# Allegro board WDMB-0007B-V02.brd (continued)
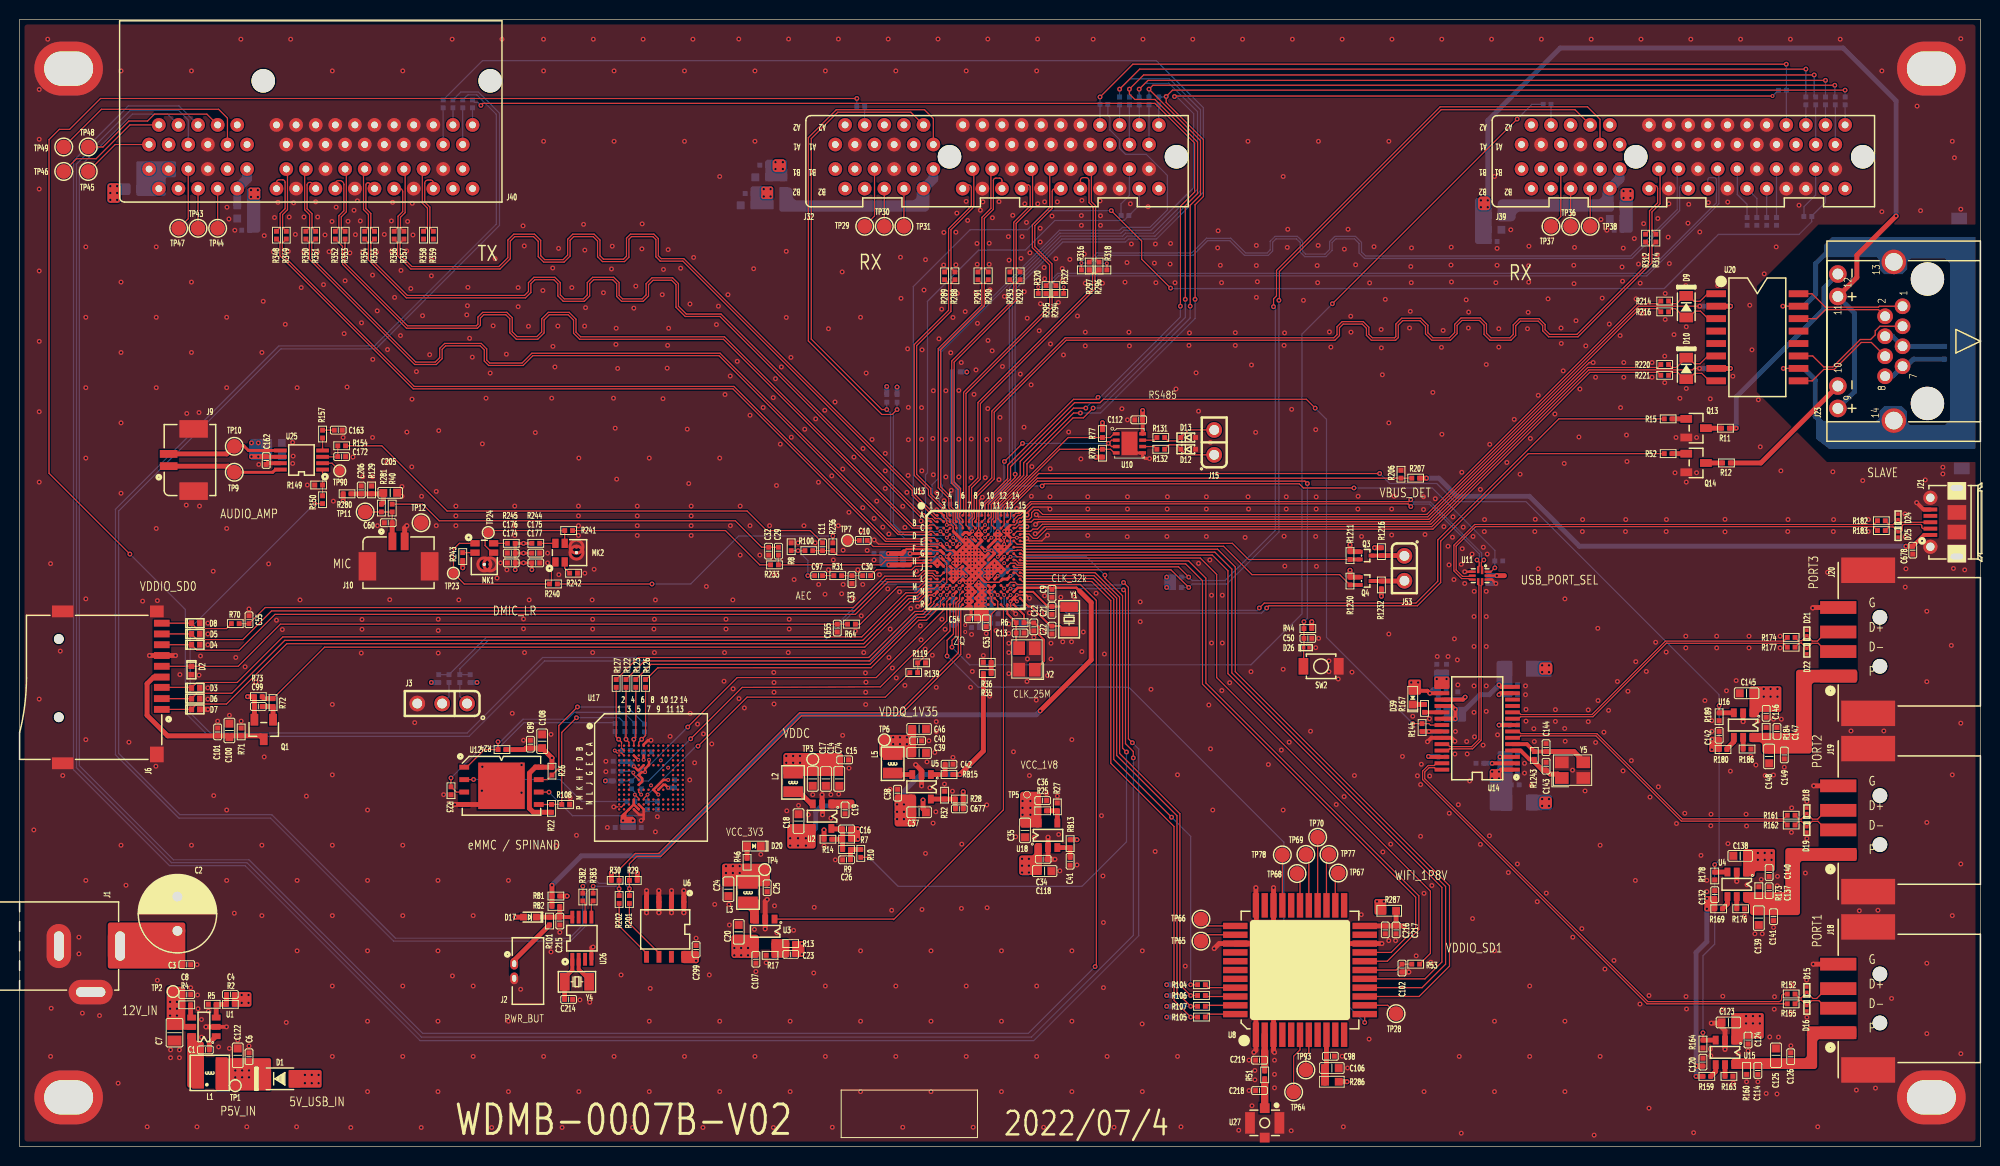
[diagram p0: board, top side]
## Routing (per net, layer and track width the routed paths; a pad name or vN(x,y) marks a point on that pad's centre or on a via; arc(x,y) is an arc through that point) (continued)
  vias: v1(64.4,36.85) v1(65.4,39.4) v1(66.15,38.65) v1(94.58,63.42) v1(96.45,53.2) v1(96.45,52.5) v1(100.42,59.52) v1(101.72,62.12) v2(1.45,32.3) v2(2,107.87) v2(2,102.79) v2(2,97.71) v2(2,89.35) v2(2,82.16) v2(2,74.98) v2(2,67.79) v2(2,45.65) v2(2.87,113) v2(3.16,59.47) v2(3.22,14.1) v2(3.16,9.18) v2(4.15,50.55) v2(4.4,37.85) v2(6.05,21.35) v2(6.05,19.65) v2(6.4,13.6) v2(6.75,91.8) v2(6.75,84.62) v2(6.75,77.43) v2(6.75,70.25) v2(6.75,55.88) v2(6.75,41.51) v2(6.75,27.14) v2(8.15,13.35) v2(10.05,6.45) v2(10.34,109.76) v2(10.34,88.21) v2(10.34,81.03) v2(10.34,73.84) v2(10.34,66.66) v2(10.34,30.74) v2(10.85,26.65) v2(11.15,41.25) v2(12.55,55.65) v2(13.01,2) v2(13.94,91.8) v2(13.94,84.62) v2(13.94,77.43) v2(13.94,63.07) v2(13.9,38.8) v2(14.05,55.7) v2(14.05,16.95) v2(15.4,9.85) v2(15.4,9.05) v2(16.3,9.85) v2(16.3,9.05) v2(16.35,48.15) v2(17,65.45) v2(17.05,74.8) v2(17.45,16.2) v2(17.53,109.76) v2(17.53,88.21) v2(17.53,81.03) v2(17.53,30.74) v2(18.1,18.55) v2(18.15,15.45) v2(18.09,2) v2(18.2,14.05) v2(18.3,74.9) v2(18.3,48.1) v2(18.35,65.35) v2(18.45,50.05) v2(18.55,12.95) v2(18.55,11.15) v2(19.2,53.4) v2(19.2,52.3) v2(19.2,51.2) v2(19.2,46.8) v2(19.2,45.65) v2(19.25,13.8) v2(19.75,58.7) v2(19.8,35.8) v2(20.2,43.4) v2(20.3,10.15) v2(21.15,95.85) v2(21.12,84.62) v2(21.12,77.43) v2(21.12,63.07) v2(21.12,34.33) v2(21.12,27.14) v2(21.35,94.65) v2(21.4,44) v2(21.4,10) v2(21.95,93.5) v2(21.9,23.8) v2(22.05,49.9) v2(22.25,10.85) v2(22.57,113) v2(22.6,43.4) v2(23,48.95) v2(23.17,2) v2(23.4,54.85) v2(23.4,10.25) v2(24.1,47.4) v2(24.4,69.6) v2(24.71,81.03) v2(24.71,30.74) v2(24.71,23.55) v2(24.95,92.95) v2(24.85,86.25) v2(24.95,39.75) v2(25.4,59.45) v2(25.9,91.3) v2(26,94.8) v2(26.2,53.7) v2(26.35,96.35) v2(26.8,52.75) v2(27.1,83.9) v2(27.2,12.65) v2(27.4,91.35) v2(27.5,94.85) v2(27.65,113) v2(27.95,96.3) v2(27.85,71.85) v2(27.9,70.45) v2(27.85,69.7) v2(28.12,93.08) v2(28.31,77.43) v2(28.31,27.14) v2(28.31,19.96) v2(28.25,2) v2(28.6,55.77) v2(28.73,87.65) v2(29,94.85) v2(29,91.33) v2(29.25,35.75) v2(29.35,67.5) v2(30.2,96.4) v2(30.4,94.85) v2(30.38,91.3) v2(31,87.95) v2(31.15,93.03) v2(31.56,91.31) v2(31.9,109.76) v2(31.86,94.4) v2(31.9,45.11) v2(31.9,37.92) v2(31.9,30.74) v2(31.9,23.55) v2(31.9,16.37) v2(31.9,9.18) v2(32,65.85) v2(32.29,95.86) v2(33,72.35) v2(33,67.85) v2(33.1,82.95) v2(33.2,88.35) v2(33.4,77.5) v2(33.5,94.41) v2(33.69,91.19) v2(33.78,1.93) v2(34,70.35) v2(34.11,95.54) v2(34.25,93.05) v2(34.45,96.5) v2(34.75,94.45) v2(34.88,84.05) v2(34.92,53.77) v2(34.92,52.77) v2(34.85,50.35) v2(35,91.22) v2(35,68.35) v2(35.49,34.33) v2(35.49,27.14) v2(35.49,19.96) v2(35.49,12.78) v2(35.49,5.59) v2(36,88.92) v2(36.02,80.33) v2(36,72.35) v2(36,68.35) v2(36.4,91.25) v2(36.48,85.28) v2(36.5,63.35) v2(37.2,93.08) v2(37.52,81.33) v2(37.5,69.85) v2(37.75,55.8) v2(37.92,94.45) v2(38.05,96.35) v2(37.95,91.38) v2(38.25,86.65) v2(38.9,89.4) v2(38.85,82.75) v2(39,67.35) v2(39,66.35) v2(39.08,109.76) v2(39.08,30.74) v2(39.08,23.55) v2(39.08,16.37) v2(39.08,9.18) v2(39.48,91.4) v2(39.5,72.9) v2(39.58,94.4) v2(39.9,87.55) v2(40.05,96.25) v2(40.02,76.26) v2(40,69.35) v2(40.12,93.02) v2(40.3,43.25) v2(40.48,79.08) v2(41,66.35) v2(40.97,1.93) v2(41.1,84.78) v2(41.83,80.8) v2(42.02,90.5) v2(42,88.85) v2(42.5,66.85) v2(42.5,63.35) v2(42.7,53.8) v2(42.7,52.65) v2(42.7,50.35) v2(42.67,27.14) v2(42.67,19.96) v2(42.67,12.78) v2(42.67,5.59) v2(42.75,73.05) v2(43.25,35.9) v2(44.12,113) v2(44.15,17.4) v2(44.5,65.35) v2(44.5,64.35) v2(44.5,63.35) v2(44.8,55.77) v2(45.61,84.87) v2(45.73,87.67) v2(45.67,85.8) v2(45.9,82.47) v2(46.17,80.55) v2(46.27,23.55) v2(46.27,16.37) v2(46.27,9.18) v2(47.15,36.3) v2(47.2,71.7) v2(47.2,38.75) v2(47.58,76.36) v2(48,78.92) v2(48.15,1.93) v2(48.3,83.75) v2(48.5,90.6) v2(48.7,58) v2(49.05,59.55) v2(49.2,113) v2(49.65,80.85) v2(49.7,58.85) v2(49.86,27.14) v2(49.86,12.78) v2(49.86,5.59) v2(50.25,44.2) v2(50.5,65.35) v2(50.5,64.35) v2(50.5,63.35) v2(50.5,62.35) v2(50.85,87.65) v2(50.85,85.7) v2(51.11,16.04) v2(51.2,38.92) v2(51.2,36.1) v2(51.35,93.95) v2(51.4,53.83) v2(51.4,52.83) v2(51.4,41.45) v2(51.48,91.9) v2(51.5,50.4) v2(51.9,83.7) v2(51.98,55.77) v2(52.6,72.85) v2(53.44,113) v2(53.45,109.76) v2(53.45,102.58) v2(53.38,87.35) v2(53.45,9.18) v2(53.85,60.55) v2(53.85,59.55) v2(54.2,42.05) v2(54.2,19.85) v2(54.27,76.36) v2(54.38,89.65) v2(54.4,81.65) v2(54.6,79.55) v2(54.7,30.7) v2(54.9,83.72) v2(54.98,91.65) v2(55,58.35) v2(55.1,21.85) v2(55.33,1.93) v2(56.15,35.6) v2(56.33,87.65) v2(56.8,31.75) v2(57.04,70.25) v2(57,65.35) v2(57,64.35) v2(57,63.35) v2(57,62.35) v2(57.04,5.59) v2(57.15,14.95) v2(57.52,94.1) v2(57.65,91.47) v2(57.63,83.72) v2(57.65,58.5) v2(57.73,85.6) v2(58.15,14.7) v2(58.4,55.77) v2(58.52,113) v2(58.45,53.8) v2(58.45,52.8) v2(58.45,50.4) v2(58.6,58.9) v2(59.55,87.12) v2(59.8,39.3) v2(59.8,38.25) v2(59.95,32.55) v2(60.38,89.55) v2(60.45,91.88) v2(60.63,109.76) v2(60.63,102.58) v2(60.58,76.36) v2(60.63,9.18) v2(60.83,81.85) v2(60.75,73.3) v2(60.85,83.5) v2(60.9,68.1) v2(61,79.4) v2(61.35,17.5) v2(62.52,1.93) v2(62.65,85.55) v2(62.85,87.8) v2(63,65.35) v2(63,64.35) v2(63,63.35) v2(63,62.35) v2(63.5,94.15) v2(63.48,91.6) v2(63.6,113) v2(64.23,70.25) v2(64.23,12.78) v2(64.23,5.59) v2(64.33,16.12) v2(64.7,52.8) v2(64.85,55.77) v2(64.75,53.8) v2(64.75,50.4) v2(64.85,32.1) v2(65.05,33.65) v2(65.55,86.92) v2(65.62,76.31) v2(65.67,89.5) v2(66.05,79.42) v2(66.1,81.75) v2(66.15,91.53) v2(66.2,83.5) v2(66.35,41.85) v2(67.42,89.62) v2(67.82,109.76) v2(67.82,102.58) v2(67.82,9.18) v2(68.1,73.2) v2(68.25,67.65) v2(68.35,37.4) v2(68.38,85.97) v2(68.4,44.2) v2(68.5,65.35) v2(68.5,64.35) v2(68.5,63.35) v2(68.5,62.35) v2(68.68,113) v2(68.75,90.72) v2(68.85,39.15) v2(69,21.25) v2(69.15,43.1) v2(69.7,1.93) v2(69.75,42.1) v2(70.05,57.15) v2(70.35,17.5) v2(70.6,41.08) v2(70.9,24.7) v2(71.08,83.88) v2(71.28,85.75) v2(71.41,98.99) v2(71.41,70.25) v2(71.41,12.78) v2(71.41,5.59) v2(71.85,47.48) v2(71.9,50.4) v2(71.95,76.73) v2(72.05,53.8) v2(72.05,52.8) v2(72.25,86.92) v2(72.35,24.7) v2(72.4,22.6) v2(72.49,78.62) v2(72.5,63.35) v2(72.75,55.77) v2(72.78,46.7) v2(73.2,80.12) v2(73.36,113.02) v2(73.38,45.7) v2(73.5,65.35) v2(73.5,60.35) v2(73.92,44.75) v2(74.5,74.62) v2(74.5,63.35) v2(74.88,89.58) v2(75,109.76) v2(75,102.58) v2(74.95,22.15) v2(75,9.18) v2(75.1,17.85) v2(75.5,60.35) v2(75.6,29.8) v2(75.84,75.41) v2(76.15,18.75) v2(76.5,63.35) v2(76.87,76.42) v2(76.92,48.38) v2(76.89,1.93) v2(77,58.35) v2(76.95,47.35) v2(76.95,46.35) v2(76.95,45.15) v2(77,24.55) v2(77.1,78.35) v2(77.2,67.45) v2(77.25,21.8) v2(77.59,71.67) v2(77.7,79.55) v2(78.2,91.35) v2(78.2,84.6) v2(78.25,34.25) v2(78.44,113.02) v2(78.4,50.4) v2(78.5,53.8) v2(78.5,52.8) v2(78.59,12.78) v2(78.59,5.59) v2(78.67,80.53) v2(78.71,72.38) v2(79,57.85) v2(78.95,22.05) v2(79.4,61.6) v2(79.45,34.8) v2(80,63.35) v2(80.08,73.19) v2(80.45,33.85) v2(80.9,35.9) v2(81.05,24.4) v2(81,17.7) v2(81.2,74.25) v2(81.15,61.6) v2(81.48,67.78) v2(81.5,57.35) v2(82.05,30.65) v2(82.12,75.12) v2(82.19,109.76) v2(82.15,56.35) v2(82.19,16.37) v2(82.19,9.18) v2(82.5,83.45) v2(82.5,58.85) v2(82.84,68.44) v2(82.75,35.9) v2(82.75,33.5) v2(82.89,1.95) v2(83,59.85) v2(83.17,75.97) v2(83.2,29.25) v2(83.52,113.02) v2(83.5,63.35) v2(83.55,35.95) v2(83.85,56.4) v2(83.9,89.25) v2(83.96,69.13) v2(84,60.85) v2(84,57.35) v2(83.95,41.95) v2(84.59,64.71) v2(84.6,38.6) v2(85.05,55.95) v2(85.1,70.35) v2(85.25,52.6) v2(85.5,58.85) v2(85.78,84.62) v2(85.84,62.85) v2(85.85,54.15) v2(85.78,19.96) v2(85.78,12.78) v2(85.78,5.59) v2(86.03,71.22) v2(86,65.19) v2(86,57.35) v2(86.1,50.4) v2(86.35,78.92) v2(86.28,48.33) v2(86.33,47.38) v2(86.3,46.35) v2(86.3,45.1) v2(86.45,60.83) v2(86.95,72.15) v2(87.16,64.09) v2(87.15,59.85) v2(87.43,65.86) v2(87.7,58.35) v2(88.05,63.21) v2(88.3,70.72) v2(88.3,68.95) v2(88.3,67.15) v2(88.55,56.9) v2(88.59,113.02) v2(88.67,62.5) v2(88.67,49.9) v2(88.8,52.8) v2(88.8,36.45) v2(89.03,48.83) v2(88.95,24.1) v2(89.37,109.76) v2(89.42,47.81) v2(89.37,16.37) v2(89.37,9.18) v2(89.85,90.75) v2(89.75,56.6) v2(89.9,86.55) v2(90.08,65.33) v2(90.08,1.95) v2(90.3,63.17) v2(90.3,47.05) v2(90.5,66.75) v2(90.58,81.4) v2(90.62,68.47) v2(90.65,75.42) v2(90.65,72.12) v2(90.9,54.9) v2(91.47,58.7) v2(91.85,66.75) v2(91.88,53.12) v2(92.05,81.3) v2(92,75.4) v2(92,72.17) v2(92.03,68.95) v2(91.95,63.83) v2(91.95,51.7) v2(92.05,24.18) v2(92.25,87.4) v2(92.4,90.5) v2(92.38,50.75) v2(92.4,29.9) v2(92.55,39.25) v2(92.75,41.4) v2(92.85,36.6) v2(92.96,19.96) v2(92.96,12.78) v2(92.96,5.59) v2(93.1,50.12) v2(93.2,77.12) v2(93.15,72.25) v2(93.2,68.55) v2(93.17,32.99) v2(93.35,40.2) v2(93.55,66.7) v2(93.5,46.85) v2(93.5,43.35) v2(93.5,42.35) v2(93.45,34.15) v2(93.67,113.02) v2(93.78,82.42) v2(94.05,85.45) v2(94.08,53.8) v2(94.25,89.95) v2(94.15,87) v2(94.28,93.28) v2(94.3,65.9) v2(94.33,36.98) v2(94.4,52.77) v2(94.47,77.12) v2(94.47,72.15) v2(94.47,68.33) v2(94.97,81) v2(95.03,66.95) v2(95.2,84.6) v2(95.2,39.7) v2(95.15,36.25) v2(95.5,93.3) v2(95.5,89.97) v2(95.6,95.25) v2(95.65,87.05) v2(95.8,77.15) v2(95.8,72.17) v2(95.8,68.33) v2(96.05,80) v2(96.1,30.85) v2(96.06,24.29) v2(96.55,96.45) v2(96.45,85.2) v2(96.56,109.76) v2(96.56,16.37) v2(96.56,9.18) v2(96.7,94.5) v2(96.78,50.05) v2(97,46.85) v2(97.08,72.2) v2(97.06,68.24) v2(97.1,52.25) v2(97.17,48.48) v2(97.35,76.75) v2(97.26,1.95) v2(97.55,87.15) v2(97.55,79.25) v2(97.65,92.15) v2(97.67,90.03) v2(97.7,84) v2(98,95.55) v2(98.25,96.4) v2(98.3,50.1) v2(98.5,68.25) v2(98.6,52.35) v2(98.65,72.15) v2(98.65,34.85) v2(98.68,24.36) v2(98.75,113.02) v2(98.78,82.25) v2(98.75,75.3) v2(98.9,92.17) v2(98.9,90.03) v2(98.97,87.42) v2(98.95,45.95) v2(99.22,94.78) v2(99.2,81.2) v2(99.6,52.65) v2(99.9,96.42) v2(99.9,68.05) v2(100,74.4) v2(99.95,72.15) v2(100.15,19.96) v2(100.15,12.78) v2(100.15,5.59) v2(100.25,79.6) v2(100.45,86.75) v2(100.85,92.85) v2(100.92,90.45) v2(100.9,53.33) v2(100.9,52.35) v2(100.9,51.35) v2(100.9,50.4) v2(100.9,48.25) v2(101.3,95.03) v2(101.38,40.27) v2(101.6,31.6) v2(101.7,65.1) v2(102.08,78.83) v2(102.25,92.85) v2(102.15,90.62) v2(102.53,96.2) v2(102.47,87.22) v2(102.45,73.4) v2(102.7,94.3) v2(102.78,84.53) v2(102.8,49.75) v2(102.75,47.45) v2(103.05,91.2) v2(103,54.45) v2(103,37.85) v2(103.17,77.72) v2(103.25,69.38) v2(103.2,66.35) v2(103.45,51.95) v2(103.5,31.55) v2(103.74,109.76) v2(103.7,45.55) v2(103.74,16.37) v2(103.74,9.18) v2(103.83,113.02) v2(103.85,96.2) v2(103.9,88.35) v2(104,83.25) v2(104.1,93.7) v2(104.1,92.3) v2(104.12,86) v2(104.45,1.95) v2(104.55,96.4) v2(104.5,89.7) v2(104.55,88.55) v2(104.55,56.2) v2(104.55,54.48) v2(104.55,52.65) v2(104.85,48.05) v2(104.75,36) v2(105.12,69.16) v2(105.1,66.3) v2(105.15,81.9) v2(105.2,51.35) v2(105.2,49.75) v2(105.3,94.95) v2(105.7,90.6) v2(105.85,96.4) v2(105.85,35.75) v2(105.95,86.12) v2(105.99,31.84) v2(106.1,28.12) v2(106.2,56.05) v2(106.35,89.6) v2(106.35,88.35) v2(106.4,51.5) v2(106.47,80.78) v2(107,72.91) v2(107.12,90.53) v2(107.3,51.5) v2(107.33,41.51) v2(107.33,19.96) v2(107.33,12.78) v2(107.33,5.59) v2(107.6,56.05) v2(107.85,28.73) v2(107.9,84.75) v2(108.25,70.16) v2(108.35,96.55) v2(108.3,95) v2(108.3,94) v2(108.35,50.5) v2(108.5,52.5) v2(108.6,91.08) v2(108.7,88.1) v2(108.7,83.1) v2(108.7,81.7) v2(108.95,66.3) v2(108.95,65.05) v2(108.95,62.35) v2(109.5,113) v2(109.8,56.45) v2(110.2,96.5) v2(110.25,94.97) v2(110.25,94) v2(110.35,33.75) v2(110.45,88.1) v2(110.5,27.6) v2(110.55,22.85) v2(110.55,16.2) v2(110.65,50.25) v2(110.92,9.18) v2(111.63,1.95) v2(112.44,75.29) v2(112.75,88.2) v2(112.95,90.2) v2(113,74.15) v2(113,66.3) v2(113,65.05) v2(112.97,62.23) v2(113.15,83.1) v2(113.2,81.7) v2(113.3,96.2) v2(113.4,92.1) v2(114.3,55.58) v2(114.3,53.55) v2(114.52,19.96) v2(114.5,12.5) v2(114.52,5.59) v2(114.58,113) v2(115.1,95.9) v2(115.4,46.65) v2(115.85,92.1) v2(115.75,90.15) v2(115.83,30.1) v2(115.9,88.15) v2(117.05,65.05) v2(117.03,62.25) v2(117.08,66.3) v2(117.35,90.05) v2(117.4,92.15) v2(117.85,88.15) v2(117.95,77.3) v2(118.11,37.92) v2(118.11,9.18) v2(118.46,2) v2(118.9,18.4) v2(119.33,83.03) v2(119.28,81.75) v2(119.3,72.35) v2(119.3,71.15) v2(119.66,113) v2(120,78.95) v2(120.25,75.04) v2(120.25,59.5) v2(121.05,66.3) v2(121.05,65.05) v2(121.05,62.25) v2(121.3,45.05) v2(121.4,59.85) v2(121.45,71.85) v2(121.47,40.58) v2(121.58,56.25) v2(121.58,51.38) v2(121.7,34.33) v2(122.25,93.45) v2(122.2,91.7) v2(122.47,89.92) v2(122.6,88.15) v2(122.62,46.52) v2(122.67,56.25) v2(122.67,51.38) v2(123.42,47.33) v2(124,83.05) v2(124,81.75) v2(124.35,1.65) v2(124.74,113) v2(125,62.15) v2(125.29,102.58) v2(125.3,66.3) v2(125.35,65.05) v2(125.4,8.8) v2(125.4,5.7) v2(125.6,48.45) v2(125.65,79.75) v2(125.7,4.15) v2(126,7.75) v2(126,6.8) v2(126.08,72.88) v2(126.15,91.95) v2(126.15,89.9) v2(126.25,88.25) v2(126.15,86.65) v2(127.38,38.98) v2(128,8.8) v2(128,7.35) v2(128,5.97) v2(128.3,4.15) v2(128.7,40.45) v2(128.88,98.99) v2(128.88,48.7) v2(128.88,34.33) v2(129.03,83.03) v2(128.97,81.75) v2(128.97,62.27) v2(129.05,59.23) v2(129.2,66.3) v2(129.2,65.05) v2(129.35,93.6) v2(129.3,91.75) v2(129.5,41.25) v2(129.7,1.6) v2(129.82,113) v2(129.75,75.22) v2(130.95,86.35) v2(131.68,42.38) v2(132.2,73.15) v2(132.25,66.29) v2(132.25,65.05) v2(132.2,62.25) v2(132.2,50.9) v2(132.35,89.9) v2(132.28,59.2) v2(132.45,91.95) v2(132.4,88.15) v2(132.48,102.58) v2(132.5,51.85) v2(133.25,13.5) v2(133.6,83.12) v2(133.55,49.55) v2(133.55,48.45) v2(133.75,81.58) v2(134.3,34.9) v2(134.5,47.7) v2(134.9,113) v2(134.9,9.2) v2(135.02,2) v2(135.12,91.58) v2(135.1,35.7) v2(135.45,8) v2(135.5,93.6) v2(135.78,84.72) v2(135.8,83.1) v2(135.9,48.4) v2(136.15,37.85) v2(136.28,89.97) v2(136.53,66.35) v2(136.5,65.05) v2(136.85,23.65) v2(136.88,62.25) v2(137.7,88.12) v2(137.65,10.95) v2(138.15,91.83) v2(138.88,83.38) v2(138.9,81.5) v2(139,78.75) v2(139.05,30.05) v2(139.3,86.45) v2(139.66,102.58) v2(139.66,73.84) v2(139.66,52.29) v2(139.65,21) v2(139.85,30.85) v2(139.95,65.05) v2(139.95,62.4) v2(139.98,113) v2(140.2,66.35) v2(140.35,21) v2(141.05,39.8) v2(141.85,85.22) v2(141.78,83.53) v2(141.9,89.8) v2(141.95,88.15) v2(141.97,91.7) v2(142.1,43.9) v2(142.45,19.45) v2(142.57,37.83) v2(142.9,36.92) v2(142.9,31.65) v2(142.97,39) v2(143.2,66.3) v2(143.2,65) v2(143.25,25.82) v2(143.35,62.45) v2(143.25,5.59) v2(143.8,43.65) v2(143.82,37.8) v2(143.95,18.8) v2(144.05,26.62) v2(144.15,76.95) v2(144.4,66.1) v2(144.6,50) v2(145.03,81.55) v2(145.06,113) v2(145.07,72.67) v2(145.2,83.28) v2(145.28,63.25) v2(145.7,61.25) v2(145.7,50) v2(145.8,59.35) v2(145.82,34) v2(146.03,91.78) v2(146,89.95) v2(146.05,88.22) v2(146.2,64.25) v2(146.15,62.17) v2(146.3,57.85) v2(146.35,51.8) v2(146.45,42.35) v2(146.4,40.05) v2(146.65,49.65) v2(146.7,47.1) v2(146.75,34.88) v2(146.84,9.18) v2(147.1,68.8) v2(147.05,59.4) v2(147.05,1.35) v2(147.25,63.2) v2(147.15,61) v2(147.4,57.45) v2(147.55,86.4) v2(147.6,41.33) v2(147.65,40.05) v2(147.8,85.15) v2(147.78,83.53) v2(147.9,37.3) v2(148.25,62.25) v2(148.15,60.45) v2(148.2,23.25) v2(148.35,54.08) v2(148.35,51.02) v2(148.35,47) v2(148.35,44.3) v2(148.37,56.65) v2(148.4,41.8) v2(149,67.05) v2(149,30.82) v2(149.3,61.15) v2(149.28,40.95) v2(149.43,63.98) v2(149.4,62.75) v2(149.6,79.8) v2(149.6,56.65) v2(149.6,54.08) v2(149.6,51.02) v2(149.6,47) v2(149.6,44.4) v2(149.7,60.45) v2(149.95,71.65) v2(149.93,31.7) v2(150.14,113) v2(150.44,98.99) v2(150.44,19.96) v2(150.44,12.78) v2(150.44,5.59) v2(150.57,88.15) v2(150.7,91.65) v2(150.7,89.92) v2(150.75,42) v2(150.88,83.45) v2(150.88,81.58) v2(151.7,69.8) v2(151.85,27.95) v2(152.1,93.55) v2(152.45,74.2) v2(152.78,28.82) v2(153.05,68.6) v2(153.5,39.1) v2(153.5,38.1) v2(153.6,47) v2(153.6,46.1) v2(153.65,44.6) v2(153.65,43.4) v2(153.8,83.45) v2(153.95,91.88) v2(153.93,89.88) v2(153.93,88.2) v2(153.88,85.12) v2(154.03,16.37) v2(154.03,9.18) v2(154.1,72.25) v2(154.2,36.85) v2(154.45,42.62) v2(154.5,41.33) v2(154.6,64) v2(154.55,62.75) v2(154.8,24.98) v2(154.9,76.65) v2(154.9,58.95) v2(155.22,113) v2(155.72,25.85) v2(155.9,86.5) v2(156.6,74.75) v2(156.65,44.58) v2(156.65,43.38) v2(157.22,83.53) v2(157.25,81.95) v2(157.45,79.15) v2(157.55,69.7) v2(157.62,55.88) v2(157.6,42.65) v2(157.62,12.78) v2(157.62,5.59) v2(157.65,41.35) v2(158.4,38.4) v2(158.43,21.35) v2(158.53,89.92) v2(158.6,91.75) v2(158.55,88.05) v2(158.75,84.28) v2(159.05,72.4) v2(159.15,77.3) v2(159.35,22.23) v2(159.43,63.98) v2(159.4,62.75) v2(159.68,36.28) v2(159.75,81.7) v2(160,44.55) v2(160,43.35) v2(160.3,113) v2(160.6,1.15) v2(160.75,78.5) v2(160.75,41.23) v2(160.97,52.88) v2(161,45.5) v2(161.21,30.74) v2(161.21,9.18) v2(161.3,94.6) v2(161.43,86.58) v2(161.6,42.27) v2(161.7,18.1) v2(161.9,93.5) v2(162.07,44.5) v2(162.15,83.92) v2(162.62,18.98) v2(162.97,47.45) v2(163.25,82.75) v2(163.3,75.4) v2(163.45,89.75) v2(163.5,88.3) v2(163.57,91.67) v2(163.62,80) v2(163.62,78.5) v2(163.55,38.33) v2(163.82,63.98) v2(163.8,62.75) v2(163.9,72.6) v2(163.95,69.9) v2(164.05,46.45) v2(164.4,39.38) v2(164.7,92.65) v2(164.85,49.48) v2(164.81,27.14) v2(164.88,86.5) v2(165.12,90.05) v2(165.3,88.1) v2(165.28,14.53) v2(165.38,113) v2(165.5,85) v2(165.65,94.17) v2(165.7,90.95) v2(165.93,48.48) v2(166.2,15.4) v2(166.2,3.9) v2(166.3,35.65) v2(166.5,80) v2(166.5,78.5) v2(166.88,51.45) v2(167.1,94.7) v2(167.05,91) v2(167.15,36.7) v2(167.85,87.05) v2(167.85,84.4) v2(167.8,80.65) v2(167.8,77.95) v2(167.95,62.75) v2(167.95,50.45) v2(167.97,63.98) v2(168.22,96.2) v2(168.15,92.8) v2(168.28,90.1) v2(168.75,82.85) v2(168.85,68.75) v2(168.95,72.35) v2(169,32.95) v2(169.35,76.35) v2(169.85,34) v2(169.95,87.85) v2(169.95,81.45) v2(169.95,52.08) v2(169.95,50.88) v2(170,83.65) v2(170,77.35) v2(170,67.8) v2(169.97,15.3) v2(170.03,14.03) v2(170.25,96.15) v2(170.18,94.22) v2(170.46,113) v2(170.75,1.4) v2(171.05,72.35) v2(171.05,68.75) v2(171.38,93.33) v2(171.5,29.7) v2(171.9,45.5) v2(172.1,27.15) v2(172.1,26) v2(172.25,96.33) v2(172.45,76.3) v2(172.53,33.9) v2(172.5,32.73) v2(172.46,9.94) v2(172.5,9.25) v2(172.6,43.45) v2(172.6,42.37) v2(173.1,52.08) v2(173.1,50.88) v2(173.2,87.85) v2(173.72,15.32) v2(173.7,13.97) v2(173.95,64) v2(173.95,62.73) v2(174.1,46.5) v2(174.22,96.38) v2(174.25,30.9) v2(174.5,38.3) v2(174.75,78.6) v2(174.8,6.45) v2(175.09,47.55) v2(175.3,9.46) v2(175.54,113) v2(175.95,23.5) v2(176.1,33.9) v2(176.15,32.7) v2(176.2,26.7) v2(176.15,6.6) v2(176.31,9.76) v2(176.4,52.08) v2(176.4,50.88) v2(176.47,85.85) v2(176.6,39.8) v2(176.7,81.3) v2(177,21.7) v2(177.1,38.92) v2(177.35,76.2) v2(177.3,43.4) v2(177.3,6.6) v2(177.55,71.4) v2(177.65,27.25) v2(177.75,21.7) v2(177.95,89.05) v2(178.05,37.85) v2(178.15,5.4) v2(178.51,11.17) v2(178.9,43.6) v2(178.9,37.9) v2(178.9,22.35) v2(179,15.28) v2(178.97,14) v2(179.17,91.8) v2(179.25,5.35) v2(179.3,27.56) v2(179.28,26.6) v2(179.4,11.15) v2(179.57,52.08) v2(179.57,50.88) v2(179.65,68.95) v2(179.7,43.6) v2(180,38.7) v2(180.35,62.75) v2(180.38,63.98) v2(180.62,113) v2(180.72,32.05) v2(180.65,13.62) v2(180.66,10.28) v2(180.75,34.55) v2(180.75,16.48) v2(181.5,96.05) v2(182.15,27.9) v2(182.3,35.2) v2(182.3,31.43) v2(182.28,16.98) v2(182.3,13.18) v2(183.41,2) v2(184.41,58.59) v2(184.95,68.85) v2(185.03,63.98) v2(185,62.75) v2(185.7,113) v2(186.8,42.4) v2(187.35,5.75) v2(187.65,24.05) v2(188,67.95) v2(188.57,63.98) v2(188.55,62.75) v2(189.3,5.95) v2(189.55,24.1) v2(189.95,109.76) v2(189.95,95.39) v2(190.15,42.4) v2(190.94,15.1) v2(192.3,64.55) v2(192.35,62.2) v2(192.34,57.08) v2(192.41,58.95) v2(193.54,106.17) v2(193.9,95.5) v2(194.38,68.02) v2(194.53,54.61) v2(194.53,47.43) v2(194.53,33.06) v2(194.53,18.69) v2(194.53,11.51) v2(196.17,69.31) v2(196.17,68.63) v2(197.03,51.13) v2(197.13,102.58) v2(197.13,37.92) v2(197.13,23.55) v2(197.25,58.98) v2(197.35,100.9) v2(198,113.05) v2(198,95.65) v2(198,43.19) v2(198,28.83) v2(198,9.46) v2(198.4,58.84)
GND_SIGNAL: length 16.2
  TOP w0.125: 93.88,60.83 93.12,60.83 93,60.95 ; 93.28,59.53 92.7,59.53 ; 93.28,59.53 93.3,59.55
  TOP w0.2: 93,60.95 90.45,60.95 90.2,60.7 ; 90.8,59.35 90.97,59.53 92.7,59.53
  TOP w0.3: 93.28,59.53 93.28,59.53 93.6,59.2 U13.J2 93.92,59.52 ; 93.92,59.52 U13.H2 93.3,59.55 ; 93.92,59.52 U13.J3 ; U13.G3 93.92,60.83 93.88,60.83
  TOP w0.5: 90.2,60.7 90,60.5 v1(88.6,60.5) ; 90.8,59.35 v1(88.65,59.35)
  BOTTOM w0.5: v1(88.65,59.35) C31.1 C119.1 v1(88.6,60.5) R45.2
P5V_IN: length 65.7
  TOP w0.4: 145.07,47.7 U14.15 ; 145.07,47.7 v2(145.55,47.7) ; 145.07,47.7 v2(144.55,47.7) ; U10.8 C112.2 ; U25.6 25.07,70.38 C162.1
  TOP w0.5: v2(72.9,20.25) 72.9,20.9 C20.1 ; C18.1 79.4,32.4 v2(79.4,31.45) v2(80.2,31.45) ; C18.1 80.9,32.5 U2.4 ; C18.1 79.45,32.65 ; R35.2 98.3,40.35 v2(95.9,37.95) RB15.2 ; U15.1 174.9,12.45 175.1,12.65 ; U16.1 176.75,46.23 176.95,46.25 ; C112.2 v2(114.55,75.1) ; v2(138.9,56.15) R1232.2 ; RB13.2 v2(107.85,31.3) ; U3.4 C107.1 v2(74.3,19.5) ; U18.1 104,30.45 C34.1 104,28.1 C118.1 102.95,28.1 v2(102.95,27.95) ; C38.1 90.95,35.65 90.95,35.55 U5.4 C37.1 91.2,33.95 ; 176.3,29.65 176.1,29.63 ; C162.1 v2(24.35,70.4) v2(23.65,70.4) ; v2(138.2,61.1) R1216.2
  BOTTOM w0.5: v2(144.55,47.7) C128.2 C131.1 ; v2(23.65,70.4) v2(24.35,70.4) 25.35,70.4 C160.1 ; v2(95.9,37.95) 91.88,37.95 90.2,36.22 v2(90.2,34.9) ; v2(80.2,31.45) 81.2,32.45 81.2,34.15 81.8,34.75 v2(84.9,34.75) ; v2(23.6,96.9) R347.1 ; v2(163.6,96.8) R310.2 C199.1 163.45,94.5 C198.1 ; C201.1 23.6,93.6 C200.1
  BOTTOM w0.8: R347.1 C200.1 ; C160.1 C159.1
  vias: v2(22,7.75) v2(22,7.05) v2(22.65,15.45) v2(22.65,14.65) v2(22.7,7.75) v2(22.7,7.05) v2(23.35,15.45) v2(23.35,14.65) v2(23.4,7.75) v2(23.4,7.05) v2(23.6,97.6) v2(23.65,71.8) v2(24.3,97.6) v2(24.3,96.9) v2(24.35,71.8) v2(72.9,19.5) v2(73.6,20.25) v2(73.6,19.5) v2(74.3,20.25) v2(77.1,100.45) v2(77.1,99.75) v2(77.85,100.45) v2(77.85,99.75) v2(78.6,31.45) v2(78.6,30.7) v2(79.4,30.7) v2(80.2,30.7) v2(89.5,34.9) v2(89.5,34.15) v2(89.5,33.4) v2(90.2,34.15) v2(90.2,33.4) v2(102.25,29.35) v2(102.25,28.65) v2(102.25,27.95) v2(102.95,29.35) v2(102.95,28.65) v2(163.6,97.5) v2(164.3,97.5) v2(164.3,96.8) v2(176.1,13.3) v2(176.1,12.55) v2(176.8,13.3) v2(176.8,12.55) v2(177.3,29.95) v2(177.3,29.25) v2(177.5,13.3) v2(177.5,12.55) v2(177.9,46.7) v2(177.9,45.9) v2(178,29.95) v2(178,29.25) v2(178.6,46.7) v2(178.6,45.9) v2(178.7,29.95) v2(178.7,29.25) v2(179.3,46.7) v2(179.3,45.9)
VBUS_DET: length 43.3
  TOP w0.125: U13.A13 100.75,65.15 103.8,68.2 R206.2 R207.2
VBUS_EN: length 127.4
  TOP w0.125: R189.2 v2(173.35,44.98) ; R164.2 v2(171.7,11.6) ; R178.2 v2(172.9,28.75) ; v2(138.72,68.67) 103.95,68.67 100.42,65.15 100.42,63.42 U13.C12
  TOP w0.5: U16.3 R189.2 ; U4.3 R178.2 ; U15.3 R164.2
  BOTTOM w0.125: v2(171.7,11.6) 171.7,19.45 172.9,20.65 v2(172.9,28.75) 173.35,29.2 v2(173.35,44.98) 173.35,46.1 153.65,65.8 146.4,65.8 144.55,67.65 139.75,67.65 v2(138.72,68.67)
VCC_+1.8V: length 50.1
  TOP w0.14: v1(99.12,56.27) 99.12,55.62 U13.R11
  TOP w0.25: U17.C6 v1(63.65,39.45) ; U17.N4 U17.P5 ; U17.N4 U17.P3 61.55,33.8 v2(61.55,33.25) ; U17.N4 U17.M4
  TOP w0.3: C176.2 R245.2 v2(51.4,61.55) R244.2 ; C176.2 C174.2 ; C176.2 v2(51.4,60.55) C175.2 ; U13.E12 v1(99.78,62.12) ; v1(99.78,62.12) U13.E11 U13.F10 ; v1(99.78,62.12) U13.D12 v1(99.78,62.77) U13.D11 v1(99.78,62.12) ; U13.M10 v1(99.12,56.92) ; v1(99.12,56.92) U13.M11 ; v1(99.12,56.92) U13.N10 v1(99.12,56.27) ; v2(52.25,58.85) C177.2 v2(51.4,59.55) C174.2 ; C174.2 v2(50.55,58.85) ; v1(100.42,60.17) U13.H12 ; U13.D6 96.4,62.65 96.65,62.65 U13.D7 v1(97.17,62.77)
  TOP w0.5: C35.1 102.55,33 U18.5 R25.2 C36.1 ; v2(135.7,58.8) R1230.2 Q4.G ; v2(62.55,33.25) v2(61.55,33.25) ; v2(135.7,61.4) R1211.2 Q3.G ; v2(55.85,25.55) R81.2 ; v2(45.2,59.05) R243.2 ; v2(131.8,53.55) R44.1
  BOTTOM w0.4: v1(99.12,56.92) v1(99.12,56.27) 99.12,54.58 99,54.45 C71.1 ; v1(63.65,39.45) C166.1 ; v1(99.78,62.12) v1(99.78,62.77) 99.85,62.77 C73.1 ; v1(97.17,62.77) 97,62.95 C84.1
  BOTTOM w0.5: v2(117,13.2) R56.1 ; v2(139.15,25) v2(138.45,25) ; v2(89.5,77.5) R19.1 ; v2(62.55,33.25) 62.6,33.2 C167.1 ; v2(117,16.5) R55.1 ; v2(117,14.3) R76.1 ; R1.1 99.85,65.1 C72.1 C73.1 ; v2(96.62,79.03) 96.6,79.05 R42.2 ; v2(117,15.4) R20.1 ; v2(117,58.1) R34.1 ; v2(117,57.05) R18.1 ; C71.1 C85.1 ; v2(61.55,33.25) C168.1 ; v2(88.45,77.55) R37.1 ; C70.1 C84.1
  vias: v2(102.3,35.25) v2(102.3,34.55) v2(102.3,33.85) v2(103.1,35.25) v2(103.1,34.55) v2(103.1,33.85) v2(155.3,49.1) v2(155.3,48.4) v2(156,49.1) v2(156,48.4)
VDD18A_AUD: length 18.4
  TOP w0.3: U13.F5 v1(95.88,61.48)
  BOTTOM w0.4: v1(95.88,61.48) 95.97,61.58 95.97,63.62 95.7,63.9 C67.1
  BOTTOM w0.5: C67.1 C66.1 95.7,67.25 95.15,67.8 R42.1
VDD_BAT: length 4.8
  TOP w0.4: U26.8 C215.1
  TOP w0.5: R82.2 C215.1 R101.2 D17.N
VDDBKUP: length 81.4
  TOP w0.25: 105.34,56.85 105.5,57.01 107.79,57.01 108.12,56.68 ; U13.N14 101.81,57.01 105.14,57.01 C9.1
  TOP w0.3: C9.1 105.34,56.85
  TOP w0.5: R82.1 R81.1 v2(54.3,26.65) ; 108.12,56.68 109.3,55.5 109.3,49.65 v2(104.1,44.45)
  BOTTOM w0.5: v2(54.3,26.65) 57.3,29.65 65.2,29.65 79.6,44.05 103.7,44.05 v2(104.1,44.45)
VDDC: length 51.3
  TOP w0.3: v1(95.22,58.88) U13.K4 v1(95.22,58.23) ; v1(95.22,58.88) U13.K5 ; v1(95.22,58.88) U13.J4 ; v1(95.22,58.23) U13.L4 95.22,57.58 U13.L5 ; v1(95.22,58.23) U13.L5 ; v1(95.22,58.23) U13.K5 ; 99.12,59.52 U13.J10 ; 99.12,59.52 U13.H11 99.78,59.52 ; 99.12,59.52 U13.J11 ; U13.J10 v1(99.1,58.9) 99.12,58.88 ; U13.J10 v1(98.47,58.88) U13.K10 ; 99.12,58.88 U13.K10 ; 99.12,58.88 U13.K11 ; 99.12,58.88 U13.J11 ; U13.K5 95.85,58.85 95.9,58.85 U13.K6 ; U13.K5 v1(95.88,58.23) ; U13.L5 v1(95.88,58.23) ; v1(95.88,58.23) U13.K6 ; U13.K11 U13.J12 ; U13.K11 v1(99.12,58.23) ; U13.J12 99.78,59.52 ; U13.J12 100.42,58.88 U13.K12 U13.J11 ; v1(99.12,58.23) U13.K10 ; v1(99.12,58.23) U13.L10 v1(98.47,58.23) U13.K10 ; U13.J11 99.78,59.52 ; U13.K6 v1(96.53,58.23) ; U13.J6 v1(95.88,58.88)
  TOP w0.5: R7.1 v2(85.5,31.35) ; v2(85.5,32.4) C16.2 ; C17.1 80.85,38.25 78.9,38.25 ; C17.1 C14.1 ; C17.1 TP3.1
  POWER w0.4: v2(79.6,39.85) 79.6,45.15 93.33,58.88 v1(95.22,58.88) v1(95.88,58.88)
  vias: v2(78.2,39.85) v2(78.2,39.15) v2(78.9,39.85) v2(78.9,39.15) v2(79.6,39.15)
VDDIO_SD0: length 3.7
  TOP w0.3: U13.H4 v1(94.58,60.17) U13.G4
  BOTTOM w0.3: v1(94.58,60.17) 94,60.75 93.2,60.75 C104.1
  BOTTOM w0.5: C103.1 C104.1
VDDQ_1.35V: length 14.8
  TOP w0.3: U13.M9 v1(98.47,56.92) U13.N9 ; U13.M9 v1(97.83,57.58) U13.M8 97.83,56.92 ; U13.M9 97.83,56.92 ; U13.R9 97.83,54.98 U13.R8 ; U13.R9 v1(98.47,55.62) U13.P9 ; U13.R9 U13.P8 97.83,56.27 ; U13.R9 v1(98.47,54.98) ; U13.N5 v1(95.22,56.27) ; U13.N9 98.47,56.27 U13.P9 ; U13.N9 97.83,56.92 ; U13.N9 97.83,56.27 ; U13.R8 U13.P9 ; U13.R8 97.5,53.95 C54.1 ; 97.83,56.27 U13.P9
  TOP w0.5: C677.2 R28.2 v2(96.25,36.2)
  BOTTOM w0.125: 95.22,55.77 95.22,55.58 C5.1
  BOTTOM w0.3: C51.1 U13.P9 v1(98.47,55.62)
  BOTTOM w0.4: 95.22,55.77 v1(95.22,56.27)
  vias: v2(89.1,41.75) v2(89.1,41.05) v2(89.8,41.75) v2(89.8,41.05) v2(90.5,41.75) v2(90.5,41.05)
ADAC_AOUT_R: length 52.8
  TOP w0.125: C11.2 80.65,62.85 76.2,62.85 74.2,64.85 43.6,64.85 36.95,71.5 R154.1
AF_SPI3_CS: length 132
  TOP w0.125: v2(118.9,86.45) 118.9,96 120.15,97.25 120.15,102.5 115.8,106.85 113.75,106.85 113.2,107.4 v2(113.2,107.9) 114.65,109.35 v2(183.05,109.35) ; U13.B10 98.8,63.95 99.11,64.26 99.11,65.51 102.06,68.46 102.06,69.91 107.5,75.35 v2(108.75,75.35)
  BOTTOM w0.125: v2(183.05,109.35) 183.05,107.1 R334.1 ; v2(113.2,107.9) R301.1 ; v2(108.75,75.35) 109.3,75.9 110.2,75.9 118.9,84.6 v2(118.9,86.45)
AF_SPI3_IRQ: length 143.1
  TOP w0.125: v1(98.47,62.12) U13.D10 ; v2(112.2,107.9) 114.24,109.94 182.17,109.94 182.2,109.97 v2(182.2,109.95)
  BOTTOM w0.125: R300.1 v2(112.2,107.9) 113.25,108.95 117.3,108.95 120.45,105.8 120.45,97.55 115.8,92.9 112.95,92.9 112.65,92.6 106.3,92.6 101.25,87.55 101.25,69.55 101.08,69.38 101.08,67.58 99.1,65.6 99.1,62.75 v1(98.47,62.12) ; R57.1 v2(182.2,109.95)
AF_SPI3_MISO: length 128.2
  TOP w0.125: v2(185.15,108.3) 115.6,108.3 v2(115.2,107.9) 120.45,102.65 120.45,97.1 119.4,96.05 v2(119.4,85.75) ; U13.B11 99.56,63.86 99.56,65.29 102.75,68.47 102.75,69.66 107.44,74.35 108.5,74.35 v2(109.5,75.35)
  BOTTOM w0.125: v2(119.4,85.75) 119.4,84.55 110.2,75.35 v2(109.5,75.35) ; R336.2 185.15,107.1 v2(185.15,108.3) ; v2(115.2,107.9) R303.2
AF_SPI3_MOSI: length 127.3
  TOP w0.125: v2(186.2,107.8) 117.6,107.8 v2(116.95,107.15) 116.95,106.55 120.75,102.75 120.75,96.95 119.9,96.1 v2(119.9,86.45) ; v2(108.2,74.85) 107.5,74.85 102.41,69.76 102.41,68.49 99.34,65.41 99.34,64.11 99.14,63.91 99.14,63.41 U13.C11
  BOTTOM w0.125: v2(186.2,107.8) R338.2 ; v2(116.95,107.15) 116.95,107.1 R304.2 ; v2(108.2,74.85) 110.25,74.85 119.9,84.5 v2(119.9,86.45)
AF_SPI3_SCK: length 137.9
  TOP w0.125: v1(98.47,62.77) U13.C10 ; v2(114.2,107.9) 115.1,108.8 v2(184.2,108.8)
  BOTTOM w0.125: R335.1 v2(184.2,108.8) ; v1(98.47,62.77) 98.85,63.15 98.85,65.75 100.78,67.67 100.78,69.53 100.95,69.7 100.95,87.65 106.2,92.9 112.5,92.9 112.8,93.2 115.65,93.2 120.15,97.7 120.15,105.6 117.25,108.5 114.8,108.5 v2(114.2,107.9) R302.1
AUD_AOUTR: length 13.2
  TOP w0.125: U13.G2 93.28,60.17 91.8,60.17 91.7,60.08 88.15,60.08 87.88,60.35 83.4,60.35 R236.2 C11.1 R100.1
AUD_MIC_L: length 16.8
  TOP w0.125: C29.2 R233.2 87.9,59.35 88.38,59.83 92.95,59.83 U13.H1
BT_UART4_CTS: length 55.3
  TOP w0.125: R104.2 v2(119.45,16.5) ; U13.K14 101.59,58.55 101.91,58.23 102.17,58.23 102.45,57.95 109.5,57.95 111.6,55.85 111.6,39.5 v2(117.5,33.6)
  BOTTOM w0.125: v2(117.5,33.6) 119.45,31.65 v2(119.45,16.5) R55.2
BT_UART4_RTS: length 57.4
  TOP w0.125: R105.2 v2(119.45,13.2) 117.75,14.9 117.75,32.65 111.3,39.1 111.3,55.7 109.35,57.65 102.3,57.65 U13.L15
  BOTTOM w0.125: v2(119.45,13.2) R56.2
BT_UART4_RX: length 57.8
  TOP w0.125: U13.K13 101.06,58.86 102.24,58.86 102.55,58.55 109.7,58.55 112.2,56.05 112.2,40.1 118.35,33.95 118.35,16.5 v2(119.45,15.4) R106.2
  BOTTOM w0.125: v2(119.45,15.4) R20.2
BT_UART4_TX: length 57.1
  TOP w0.125: R107.2 v2(119.45,14.3) 118.05,15.7 118.05,33.75 111.9,39.9 111.9,55.95 109.6,58.25 102.5,58.25 102.2,58.55 U13.K15
  BOTTOM w0.125: v2(119.45,14.3) R76.2
BUS_PWREDN: length 4.5
  TOP w0.4: U14.17 147.2,45.6 v2(147.45,45.85)
  BOTTOM w0.5: v2(147.45,45.85) 147.2,45.6 R170.1 R171.1
CAM_RST0_C: length 80.4
  TOP w0.125: v2(180.2,110.45) 113.55,110.45 v2(110.2,107.1)
  BOTTOM w0.125: J32.A26 R298.1 v2(110.2,107.1) ; v2(180.2,110.45) R331.1 J39.A26
CHASSI_GND: length 64.9
  BOTTOM w0.5: R222.1 182,79.4 183.12,78.28 183.12,78.17 183.15,78.15 183.15,74.5 183.85,73.8 190.9,73.8 J23.15 192.6,72.64 197.58,72.64 C164.2 198.15,78.38 R223.2 R218.2 197.15,85.38 197.82,86.05 C165.2 192.97,92.1 191.15,90.28 191.17,90.28 188.9,92.55 185.65,92.55 183.2,90.1 183.2,86.95 R217.1
D_EMMC__RST_Z: length 1.2
  TOP w0.125: U17.K5 63.15,36.15 v1(63.4,35.9)
  BOTTOM w0.125: R138.1 v1(63.4,35.9)
D_EMMC_CLK: length 34.3
  TOP w0.125: R139.1 88.3,45.85 74.2,45.85 v2(69.2,40.85) ; v1(64.05,35.9) 63.65,35.5 U17.M6
  BOTTOM w0.125: C109.1 R128.2 v1(64.05,35.9) 69,40.85 v2(69.2,40.85)
D_EMMC_CMD: length 2.1
  TOP w0.125: v1(62.75,35.9) 63.15,35.5 U17.M5
  BOTTOM w0.125: R49.2 v1(62.75,35.9) 62.75,36.15 R140.1
D_EMMC_D0: length 6.9
  TOP w0.125: U17.A3 62.15,41.25 v2(61.85,41.55) R122.1
  BOTTOM w0.125: R3.2 61.75,41.65 v2(61.85,41.55)
D_EMMC_D1: length 6.9
  TOP w0.125: R123.1 62.85,41.75 v2(62.65,41.55) U17.A4
  BOTTOM w0.125: R39.2 62.75,41.65 v2(62.65,41.55)
D_EMMC_D2: length 7.1
  TOP w0.125: U17.A5 63.15,41.25 v2(63.45,41.55) 63.85,41.95 R126.1
  BOTTOM w0.125: v2(63.45,41.55) 63.75,41.85 R118.2
D_EMMC_D3: length 7.7
  TOP w0.075: 61.4,40.65 61.4,41.1
  TOP w0.125: R127.1 60.85,41.8 v2(61.1,41.55) 61.4,41.25 61.4,41.1 ; U17.B2 61.4,40.65
  BOTTOM w0.125: v2(61.1,41.55) 60.75,41.9 R121.2
EMMC_CLK: length 8.3
  TOP w0.125: U13.R4 94.9,52.61 91.64,49.35 R119.1 R139.2
EMMC_CMD: length 40.8
  TOP w0.125: U13.R3 94.25,54.73 87.38,47.85 73.2,47.85 v2(68.15,42.8)
  BOTTOM w0.125: R116.2 R140.2 63.15,38.05 63.15,38.15 63.65,38.65 64,38.65 v2(68.15,42.8)
EMMC_D0: length 35.3
  TOP w0.125: U13.P2 93.25,55.6 93.25,55.4 92.15,54.3 91.42,54.3 86.67,49.55 63.75,49.55 R122.2
EMMC_D1: length 33.9
  TOP w0.125: U13.R2 92.3,54 91.55,54 86.75,49.2 64.4,49.2 R123.2
EMMC_D2: length 34.1
  TOP w0.125: U13.P3 93.92,55.62 93.92,55.12 92.5,53.7 91.7,53.7 86.85,48.85 65.15,48.85 65.1,48.85 63.9,47.65 R126.2
EMMC_D3: length 35.8
  TOP w0.125: R127.2 63.1,49.9 86.6,49.9 91.3,54.6 92.05,54.6 92.95,55.5 U13.P1
EMMC_RST_Z: length 40.4
  TOP w0.125: v2(68.45,41.6) 73.7,46.85 87.79,46.9 94.58,53.64 94.58,55.62 U13.P4
  BOTTOM w0.125: R138.2 64.15,37.3 v2(68.45,41.6)
EPHY_LNK_LED: length 78.3
  TOP w0.125: v1(100.42,56.27) U13.N12 ; v2(127.2,54.95) 127.42,55.17 142.57,55.17 144.95,57.55 144.95,61.77 153.88,70.7 R52.2
  BOTTOM w0.125: v1(100.42,56.27) 100.42,55.33 100.78,54.98 106.25,54.98 106.8,54.42 126.67,54.42 v2(127.2,54.95)
EPHY_LNK_SPD: length 79.4
  TOP w0.125: v2(126.45,54.95) 126.95,55.45 142.43,55.45 144.65,57.67 144.65,61.89 157.01,74.25 R15.2 ; v1(101.08,56.27) U13.P13
  BOTTOM w0.125: v2(126.45,54.95) 126.2,54.7 107.05,54.7 106.53,55.23 100.89,55.23 100.66,55.45 100.66,55.86 v1(101.08,56.27)
EPHY_RTX: length 3.9
  TOP w0.125: v2(102.75,63.25) 102.6,63.1 U13.C15
  BOTTOM w0.125: R1.2 101.2,65.05 101.2,64.3 102.25,63.25 v2(102.75,63.25)
EPHY_RXN: length 72.7
  TOP w0.125: U13.D15 102.1,62.5 102.95,62.5 103.4,62.05 103.8,62.05 104.75,63 144.15,63 160.15,79 167.1,79 R221.2
